# Altium PCB UKU205V3.PcbDoc (part 2 of 3)
Units mm, origin at the board's own origin, x right, y up, seen from the top; angles counter-clockwise.
Board outline 374.65 x 264.35 mm, 2 copper layers (Top Layer, Bottom Layer); 286 components, 293 nets, 1007 pads, 846 vias.
Unrouted connection lines stored in the file: 6.
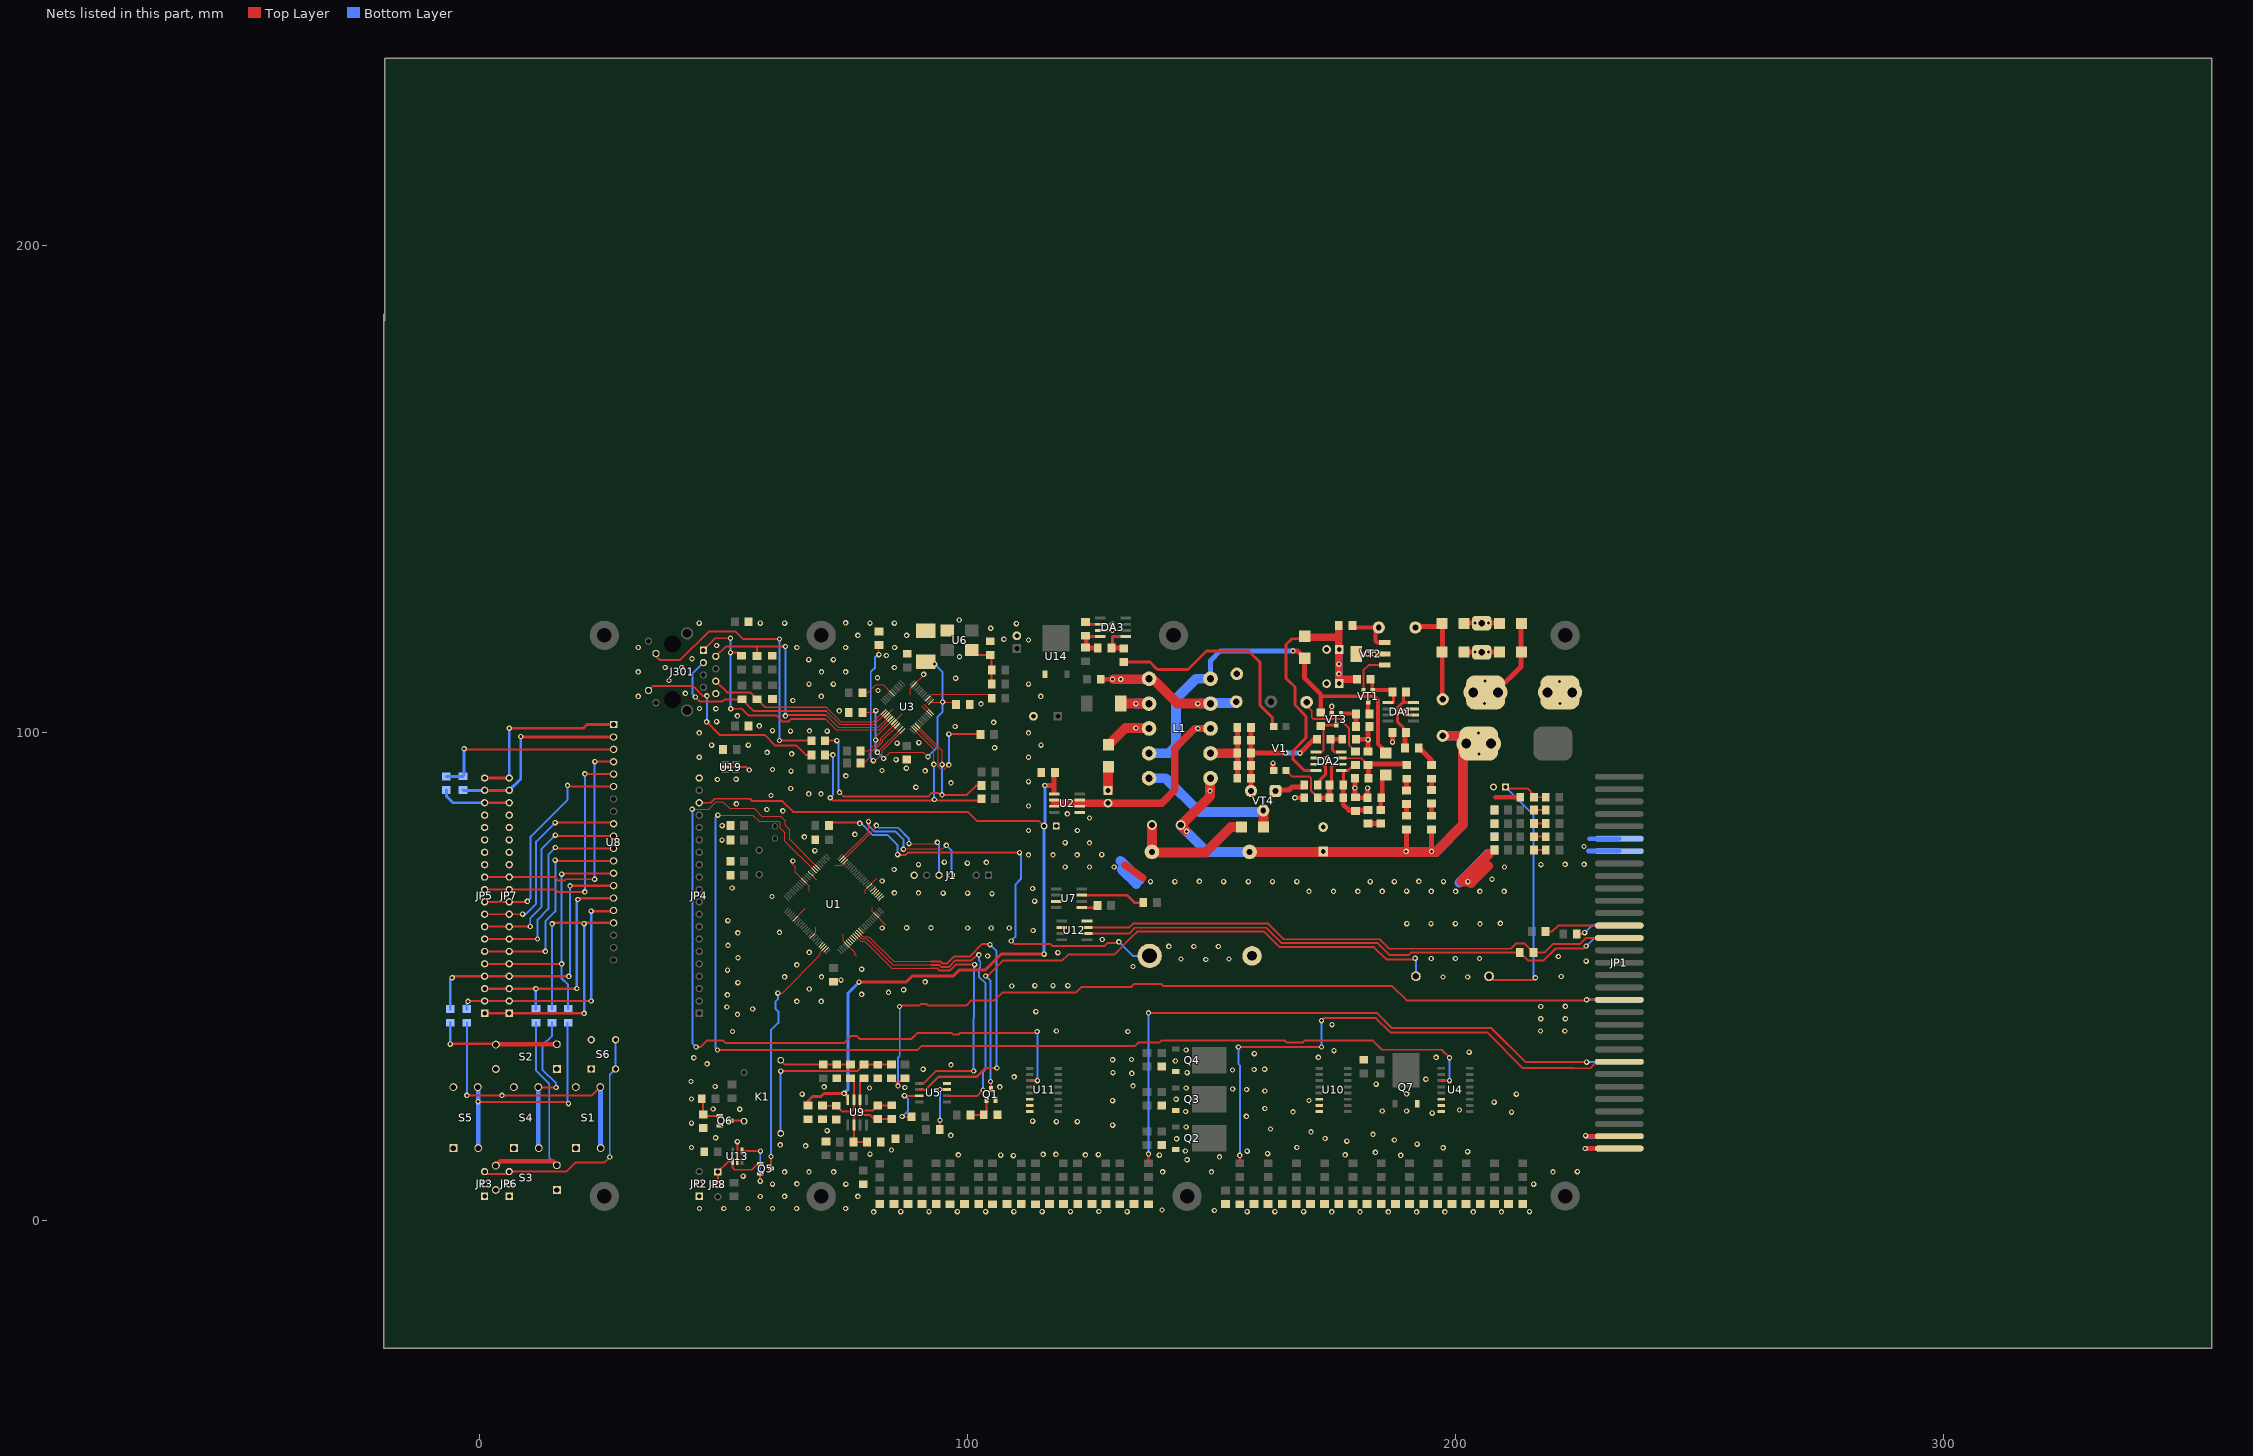
[diagram p2: the nets of this part, all layers, seen from the top]

## Via types
v1: diameter 1.1, hole 0.6, Top Layer to Bottom Layer, 837 vias
v2: diameter 4, hole 2, Top Layer to Bottom Layer, 8 vias
v3: diameter 1, hole 0.6, Top Layer to Bottom Layer, 1 vias

## Nets (pads, with @x,y where several pads share a name; then routed paths per layer and width w, separated by ;. In a path a pad name is that pad's centre, name@x,y a point inside that pad or via, vN(x,y) a via of type N, cw(c..) or ccw(c..) an arc to the next point about the centre after c; other vN are vias at no path point) (continued)
-5V: C16.2 C57.2 C59.1 JP4.18 U2.1 U9.4 | length 188.9
  Top Layer w0.4: JP4.18@45,85.68 47.33,85.68 48.15,86.5 55.4,86.5 55.9,86 62.05,86 64.25,83.8 100.05,83.8 101.95,81.9 114.697,81.9 C57.2@115.688,80.909
  Top Layer w0.6: C16.2@67.298,23.595 67.298,24.548 68.2,25.45 69.9,25.45 70.55,26.1 v1(74.7,26.1) 75.442,25.358 U9.4@75.442,24.811 ; v1(77.75,48.9) 87.4,48.9 88.7,50.2 97.1,50.2 98.25,51.35 103.6,51.35 106.9,54.65 v1(115.7,54.65)
  Top Layer w1: v1(115.85,89.2) 117.561,89.2 ; U2.1@117.7,87.8 C59.1@117.7,91.8
  Bottom Layer w0.6: v1(74.7,26.1) 75.45,26.85 75.45,46.6 v1(77.75,48.9) ; v1(115.7,54.65) 115.7,80.897 C57.2@115.688,80.909 115.85,81.071 v1(115.85,89.2) v1@115.7,89.05
-48V: JP1.1 JP1.2 | length 56.2
  Top Layer w1: 221.3,109.3 226,104.6 226,91.3 v1(225.7,91) JP1.1@233.589,91
  Bottom Layer w1: 221.576,109.076 226,104.652 226,91.3 v1(225.7,91) JP1.2@233.589,91
  other v1: 227.35,90.95
-48V: FU2.1
  other v1: 221.4,106 221.3,110.5
  other v2: 218.88,108.3 223.96,108.3
-IAKB: JP1.37 JP1.38 R61.2 R62.2 | length 177.7
  Top Layer w0.4: R61.2@84.393,29.212 84.588,29.212 v1@85.719,28.081 ; v1@85.75,28.05 v1@85.719,28.081 ; v1(86.05,43.9) 86.3,44.15 90.2,44.15 90.45,44.4 91.6,44.4 91.85,44.15 99.8,44.15 100.8,45.15 105.5,45.15 107.1,46.75 122.2,46.75 123.35,47.9 133.5,47.9 134.1,48.5 139.75,48.5 140.15,48.1 187.05,48.1 190,45.15 226.75,45.15 v1(226.9,45.3) ; R62.2@87.2,29.3 86.938,29.3 v1@85.719,28.081 ; v1(226.9,45.3) JP1.37@233.589,45.3
  Bottom Layer w0.4: v1@85.75,28.05 85.75,33.45 86.1,33.8 v1@86.1,43.95 ; v1(226.9,45.3) 233.564,45.3 JP1.38@233.589,45.275
  other v1: 85.75,27.65
CANH: JP1.27 R129.2 U12.7 | length 114
  Top Layer w0.4: U12.7@124.489,60.132 133.182,60.132 133.95,60.9 161.65,60.9 164.85,57.7 184.5,57.7 186.45,55.75 211.3,55.75 212.35,56.8 214.181,56.8 R129.2@215.988,54.993 218.343,54.993 220.1,56.75 225.55,56.75 226.75,57.95 JP1.27@233.589,57.95
CANL: JP1.28 R129.1 U12.6 | length 114.6
  Top Layer w0.4: U12.6@124.489,58.862 133.112,58.862 134.3,60.05 161.25,60.05 164.4,56.9 184.05,56.9 186.45,54.5 190.45,54.5 190.9,54.95 213.05,54.95 R129.1@213.1,55 ; R129.1@213.188,54.993 214.831,53.35 218.1,53.35 220.55,55.8 226.3,55.8 v1(226.8,56.3)
  Bottom Layer w0.4: v1(226.8,56.3) 228.45,57.95 JP1.28@233.589,57.95
GND: BT1.2 C1.2 C2.2 C3.2 C4.2 C5.2 C6.2 C7.2 C8.2 C9.2 C10.2 C12.2 C15.1 C16.1 C17.1 C18.2 C19.2 C20.2 C21.1 C22.1 C23.2 C24.1 C25.1 C31.1 C33.1 C34.2 C35.2 C37.1 C38.1 C39.1 C40.1 C41.1 C42.2 C43.2 C44.2 C45.2 C46.2 C47.2 C48.2 C49.2 C50.2 C51.2 C52.2 C53.2 C54.2 C55.2 C57.1 C58.1 C59.2 C61.+ C62.- C65.- C301.1 C302.1 C303.1 C304.1 D1.1 D3.1 D4.1 D5.1 D7.1 D8.1 DA3.6 DA3.7 J1.7 J301.8 JP1.12 JP1.14 JP1.59 JP1.60 JP1.61 JP1.62 JP2.1 JP2.2 JP4.20 L1.7 L1.10 Q1.2 Q2.3 Q3.3 Q4.3 Q6.2 Q7.3 R10.2 R12.2 R13.2 R14.2 R15.2 R16.2 R23.1 R24.1 R26.1 R27.1 R28.1 R36.1 R49.1 R57.1 R58.1 R60.1 R74.2 R75.2 R76.2 R77.2 R78.2 R111.1 R112.1 R113.1 R114.1 R117.1 R118.1 R122.2 R126.2 R127.2 R128.2 R135.1 U1.11 U1.15 U1.31 U1.41 U1.55 U1.72 U1.83 U1.97 U2.5 U3.15 U3.19 U3.35 U3.36 U3.47 U4.6 U4.7 U4.8 U5.4 U6.2 U7.3 U10.6 U10.7 U10.8 U11.6 U11.7 U11.8 U12.2 U12.8 U13.2 U14.1 U19.2 VD8.2 XP5.1 | length 184.5
  Top Layer w0.25: v1@64,73.25 64.7,72.55 64.7,71.386 U1.15@66.413,69.673 67.5,68.586 67.5,67.5 ; U1.31@64.645,61.895 66.65,63.9 66.7,63.9 ; U1.11@67.827,71.087 69,69.914 69,69.9 ; U1.41@68.181,58.359 68.9,59.078 68.9,60.2 ; 72.9,72.85 74.186,72.85 U1.97@74.898,73.562 ; 74.5,58.7 74.5,57.343 U1.55@75.252,56.591 76.85,54.993 76.85,54.604 77.142,54.312 ; 79.05,67 79.05,67.814 U1.83@79.848,68.612 81.4,70.164 ; 80.5,63.364 U1.72@81.262,62.602 83.15,60.714 83.15,60.7 ; 80.5,63.364 80.5,64.15 ; U3.15@83.448,103.597 84.751,104.9 ; U3.19@84.862,102.183 86.579,103.9 ; 88.2,107.8 88.2,109.056 U3.47@88.998,109.855 v1@91,111.856 ; 90.65,105.5 90.65,105.481 U3.35@92.18,103.95 ; 90.988,105.85 U3.36@92.534,104.304
  Top Layer w0.4: U19.2@50.334,92.992 54.658,92.992 v1(55.25,92.4) ; U13.2@52.8,12.125 v1(52.8,16.2) ; v1@226.649,17.45 v1(226.699,17.45)
  Top Layer w0.6: R135.1@124.63,122.27 DA3.6@127.2,122.27 129.83,122.27 129.83,121.13 v1(129.7,121) DA3.7@127.2,121
  Top Layer w1: C58.1@127.305,110.998 v1@129.898,110.998 ; 208.193,86.793 R57.1@213.288,86.793 ; v1@226.825,17.325 JP1.59@233.589,17.325 ; 227.5,14.8 JP1.61@233.589,14.8
  Top Layer w1.5: 132.2,72.9 135.974,70.247
  Top Layer w2: C61.+@128.8,88.4 VD8.2@128.8,92.8 ; v1@129.9,111 v1(131.4,111) 138,111 143,106 v1(147.2,106) L1.7@149.8,106 ; v1@203.099,69.5 201.199,69.5 206.899,75.2 ; 203.199,69.2 206.699,72.7
  Bottom Layer w0.3: 131.7,73.5 131.7,73.7
  Bottom Layer w1: v1@226.85,17.3 JP1.60@233.589,17.3 ; 227.2,14.8 JP1.62@233.589,14.8 ; 227.25,75.75 JP1.14@233.589,75.75 ; 227.5,78.3 JP1.12@233.589,78.3
  Bottom Layer w2: 131.3,73.8 135.3,69.8 ; 131.6,72 134.6,69 ; v1@147.6,106 L1.7@149.8,106 ; L1.7@149.8,106.1 XP5.1@155.2,106.1 ; 200.799,69.3 206.699,75.2 ; 203.499,69.7 206.299,72.5
  other v1: 80.75,1.8 174.65,1.8 180.45,1.8 186.25,1.8 192.05,1.8 197.85,1.8 203.65,1.8 209.45,1.8 86.3,1.85 92.1,1.85 97.9,1.85 103.7,1.85 109.5,1.85 115.3,1.85 121.1,1.85 132.7,1.85 157.299,1.85 162.999,1.85 168.899,1.85 215.199,1.85 126.9,1.9 150.6,2.1 139.85,2.2 45.05,2.5 50.05,2.5 55,2.5 60,2.5 64.95,2.5 75,2.5 57.5,4.95 62.5,5 77.5,5 60,7.5 75.05,7.5 216.05,7.5 65,7.55 54,9.15 62.5,10 67.5,10 72.55,10 140,10 150,10 219.999,10 224.999,10.05 145,12.5 151.65,13.1 109.4,13.35 188.799,13.4 106.8,13.45 139.3,13.45 98.1,13.5 124.15,13.5 177.399,13.5 126.8,13.55 115.5,13.6 118.1,13.6 80,13.65 161.499,13.75 183.6,14 202.499,14.15 157.299,14.25 144.65,14.3 84.4,14.5 226.599,14.8 197.499,14.95 43.4,15 167.499,15 66.8,15.35 61.6,15.55 192.15,15.7 177.75,16.3 187.499,16.55 142.85,16.8 173.299,16.85 48.35,17 96.55,17.5 183.1,17.7 170.399,18.2 71.2,18.45 162.1,18.8 144.8,19.2 129.75,19.6 43.4,20 118.2,20.3 122.5,20.3 113.35,20.4 157.15,21.4 195.25,22.05 211.499,22.25 166.7,22.3 144.7,22.4 184.999,22.5 190,22.5 200.85,22.7 53.3,22.85 47.85,22.9 160.95,23 207.95,24.3 129.75,24.6 169.999,24.65 142.75,24.9 43.4,24.95 66.1,25.95 212.499,25.95 189.999,26 160.95,26.6 157.199,26.9 154.35,27 79.9,27.2 144.8,27.2 87.15,27.3 70.6,27.45 106.6,27.45 48.25,27.5 133.9,27.65 183.75,28 43.3,28.55 193.95,29 109.55,29.5 133.65,30.2 129.8,30.35 145,30.35 154.3,30.9 158.75,31 90.9,31.05 160.899,31.05 96.6,31.95 46.6,32.15 142.6,32.75 129.75,33 133.6,33.05 43.9,33.4 171.9,33.5 196.05,33.5 158.799,34.25 202.8,34.55 175.099,34.85 144.8,35 51.8,38.8 132.85,38.8 118.2,38.9 217.45,38.9 222.45,38.9 174.7,40.2 217.5,41.4 222.55,41.4 52.85,42.3 114,42.85 55.95,43.4 50.65,43.8 217.5,43.9 222.55,43.95 65,44.95 70,44.95 50.75,46.3 78.3,46.4 83.8,46.8 86.9,47.35 67.55,47.5 109.05,48.1 113.8,48.2 117.5,48.2 120.55,48.2 52.9,48.8 91.3,48.95 74.05,49.3 197.45,49.95 202.5,49.95 62.5,50 70.05,50 221.7,50.05 50.8,51.35 78.3,51.55 133.9,52.1 65,52.45 226.8,53.2 148.85,53.55 143.75,53.65 153.6,53.65 195.05,53.75 200,53.75 204.95,53.75 52.95,53.9 221.1,54.15 104.1,54.25 118.5,54.95 67.55,55 146.4,56.2 151.4,56.2 141.25,56.25 50.9,56.45 127.6,57.65 52.9,59 61.45,59.1 113.45,59.5 82.5,60 100,60 104.85,60 108.55,60 87.5,60.05 92.5,60.05 205.05,60.85 190.05,60.9 195,60.9 200,60.9 209.2,60.95 50.85,61.5 113.75,65.5 59.9,66.45 105,67.05 95,67.15 100,67.15 85,67.2 89.95,67.2 170,67.5 175,67.5 179.999,67.5 184.999,67.5 195.05,67.5 200.05,67.5 205,67.5 210,67.5 189.999,67.55 113.35,68.1 51.75,68.2 137.501,69.5 142.501,69.5 152.5,69.5 157.551,69.5 162.501,69.5 167.501,69.5 182.551,69.5 187.5,69.5 197.551,69.5 202.551,69.5 147.5,69.55 192.5,69.55 82.5,69.65 207.5,70 84.95,72 120,72.5 125,72.5 130.05,72.5 210.05,72.5 89.95,73 217.55,73 222.499,73.05 226.399,73.05 99.95,73.3 103.85,73.45 95.25,73.5 64.2,73.75 112.5,75 117.5,75 122.45,75 127.5,75.05 68.7,75.85 226.35,76.7 125,77.45 120,77.5 49.65,78 66.55,78.7 76.9,79.2 112.5,80 122.5,80 49.7,81 125,82.55 120.45,83.4 62.15,84 58.85,84.3 112.5,85 52.6,85.45 59.7,87.15 67.45,87.5 69.95,87.5 63.75,88.6 89.4,88.85 96.6,89.75 112.5,90 48.7,90.45 52.55,90.5 75.05,91.2 63.8,92.15 91.3,92.2 82.45,92.3 60,92.5 87.45,92.75 85.35,94.5 45,95 112.5,95 63.95,95.7 58.9,96 105.55,96.95 47.55,97.5 55.05,97.5 115.05,97.5 85.55,97.9 90,98 45,100 112.5,100 63.7,100.35 71.2,100.35 67.6,100.4 60,100.45 97.45,101.3 57.3,101.45 105.35,102.15 48.55,102.3 52.8,103.5 73.7,104.5 48.4,104.95 45.05,105 102.75,105.95 64.2,106.65 32.5,107.5 70,107.5 115,107.5 42.15,108.1 81.65,108.7 67.5,110 72.5,110 112.5,110 38.8,110.75 129.7,111 97.55,111.2 81.55,111.3 91,112 32.5,112.5 70.05,112.5 75,112.5 38,113.4 41.4,113.4 85,113.4 67.45,115 72.5,115 43.5,115.2 98.35,115.6 83.35,115.85 32.5,117.5 65,117.5 75,117.5 85.05,117.5 48.55,117.9 112.5,119.05 107.45,119.2 77.5,120 87.5,120 104.75,121.45 129.7,122.3 110,122.4 45,122.5 57.5,122.5 62.5,122.5 80,122.5 85,122.5 75,122.55 98.3,123.15
I1: R6.2
I1: JP1.47 | length 112.5
  Top Layer w0.4: v1(155.5,35.6) v1(172.55,35.6) ; v1(155.8,13.4) 155.807,13.393 155.807,11.788 ; v1(172.55,41) 173.1,41.55 183.7,41.55 186.65,38.6 206.5,38.6 213.8,31.3 224.1,31.3 224.15,31.25 227.65,31.25 228.975,32.575 JP1.47@233.589,32.575
  Bottom Layer w0.4: v1(155.5,35.6) 155.5,32.15 155.807,31.843 v1@155.807,13.393 ; v1(172.55,35.6) v1(172.55,41)
I2: R7.2
I2: JP1.48 | length 131.5
  Top Layer w0.4: v1@137.1,13.2 137.107,13.193 137.107,11.788 ; v1(137.1,42.6) 137.5,42.55 183.95,42.55 187,39.5 207.4,39.5 214.4,32.5 v1(226.9,32.5)
  Bottom Layer w0.4: v1@137.1,13.2 v1(137.1,13.7) v1(137.1,42.6) ; v1(226.9,32.5) 233.515,32.5 JP1.48@233.589,32.575
NetA1_1: A1.1 Q1.3 | length 121.7
  Top Layer w0.4: v1(103.7,50.15) 104.05,50.15 107.2,53.3 119.35,53.3 120.6,54.55 130.05,54.55 133.693,58.193 134.75,59.25 160.8,59.25 163.95,56.1 183.3,56.1 185.85,53.55 191.5,53.55 v1(191.75,53.8) ; v1(104.7,28.55) 104.8,28.55 104.802,28.548 Q1.3@104.802,26.998
  Bottom Layer w0.4: v1(103.7,50.15) 104.7,49.15 v1(104.7,28.55) ; v1(191.75,53.8) 191.897,53.653 A1.1@191.897,50.112
NetA1_2: A1.2 C19.1 R56.1 R57.2 | length 61
  Top Layer w0.4: A1.2@206.897,50.112 207.66,49.35 215.95,49.35 v1(216.4,49.8) ; C19.1@210.657,88.5 210.757,88.6 214.8,88.6 216.088,87.312 R57.2@216.088,86.793 216.094,86.8 R56.1@218.4,86.8 ; R56.1@218.5,86.8 R56.1@218.4,86.8 ; R56.1@218.8,86.4 R56.1@218.4,86.8
  Bottom Layer w0.4: C19.1@210.4,88.8 216.05,83.15 216.05,50.15 v1(216.4,49.8)
NetBT1_1: BT1.1 D6.1 | length 92.8
  Top Layer w0.4: D6.1@71.595,80.991 72.254,81.65 77.7,81.65 v1(77.9,81.45) ; v1(85.65,75.05) 85.75,74.95 87.25,74.95 87.75,75.45 v1(110.65,75.45) ; v1(108.95,57.35) 109.55,56.75 116.95,56.75 117.35,56.35 128.1,56.35 128.65,56.9 130.75,56.9 v1(131,57.15)
  Bottom Layer w0.4: v1(77.9,81.45) 78.2,81.45 80.6,79.05 83.6,79.05 85.65,77 v1(85.65,75.05) ; v1(108.95,57.35) 109.8,58.2 109.8,68.9 110.95,70.05 110.95,75.15 v1(110.65,75.45) ; v1(131,57.15) 133.859,54.291 BT1.1@137.305,54.291
NetC9_1: C9.1 C10.1 C20.1 U3.18 U3.23 U3.37 | length 63.9
  Top Layer w0.25: C10.1@78.455,104.198 80.748,104.198 v1@81.1,104.55 ; v1(81.15,98.55) 81.15,99.178 U3.18@84.508,102.536 ; v1(81.5,96) 81.508,96 U3.23@86.276,100.768 ; v1(82.8,94.75) 84.1,96.05 90.95,96.05 v1(91.9,95.1) ; U3.37@92.534,106.319 97.128,106.319 C9.1@97.645,105.802
  Top Layer w0.4: C20.1@91.25,114.55 92.761,114.589 v1(93.25,114.1)
  Bottom Layer w0.4: v1@81.1,104.55 81.15,104.5 81.15,96.4 81.525,96.025 v1(82.8,94.75) ; v1(91.9,95.1) 91.95,95.15 91.95,95.2 93.8,97.05 93.8,103.2 94.9,104.3 94.9,112.45 v1(93.25,114.1)
  other v1: 81.2,104.55 94.9,106.319
NetC11_1: C11.1 C56.1 FU1.2 L1.1 NTC1.2 R30.2 R68.2 R133.2 | length 174.1
  Top Layer w1: v1@190,76.2 R68.2@190,80.2 ; v1(195.1,75.7) R30.2@195.1,80.2 R30.2@195.1,80.3
  Top Layer w2: v1@144.65,80.05 143.7,81 R133.2@143.7,81.1 143.8,81.1 149.7,87 v1(149.7,88.1) L1.1@149.7,90.4 ; C56.1@157.4,75.6 C56.1@157.8,75.6 v1@195,75.6 ; v1(195.1,75.7) v1@195,75.6 ; NTC1.2@197.4,99.4 FU1.2@200.8,99.4 ; FU1.2@201.5,97.2 201.5,81.1 196,75.6 v1@195,75.6
  Bottom Layer w2: R133.2@143.65,81.05 v1(144.9,79.8) 149.1,75.6 C56.1@157.6,75.6 ; v1@149.7,88.3 L1.1@149.7,90.209 ; C56.1@157.8,75.6 196,75.6 201.5,81.1 201.5,98.9 201,99.4 NTC1.2@197.4,99.4
  other v1: 189.9,75.7 204.8,95.7 204.7,100
  other v2: 202.22,97.8 207.3,97.8
NetC11_2: C11.2 C14.2 C27.2 C28.1 C29.- C30.- C36.2 DA1.6 DA1.7 DA2.6 FU2.2 L1.3 R46.1 R53.1 R79.1 R101.1 R109.1 R110.1 R130.1 R131.1 R132.1 V1.3 VD2.1 VD4.1 VT2.2 VT2.4 VT3.2 XP3.1 | length 69.8
  Top Layer w0.6: DA2.6@171.504,94.835 v1@173.835,94.835 ; DA1.6@191.389,103.662 189.702,103.662 189.632,103.732 189.632,104.932 DA1.7@191.389,104.932
  Top Layer w0.8: VT3.2@174.65,103.975 v1(174.65,105.45)
  Top Layer w1: R110.1@155.297,98.503 R109.1@155.297,100.8 ; R109.1@155.297,101.103 155.297,101.3 R109.1@155.3,101.3 ; R132.1@155.3,90.7 R131.1@155.3,93.3 R130.1@155.3,95.9 R109.1@155.3,100.797 ; V1.3@162.63,92.3 v1@162.63,93.63 ; v1(167.1,86.7) C28.1@168.994,86.7 ; v1@179.397,89.097 R79.1@179.397,90.703 ; v1@179.4,88.894 v1(179.4,88.7) 179.4,86.7 R101.1@179.503,86.803 ; C36.2@179.6,98.7 v1@182,98.7 ; R101.1@179.603,86.697 C27.2@182.003,86.697 v1@182.003,88.597 ; VT2.4@179.7,116.2 v1(182,116.2) v1(183.3,116.2) VT2.2@185.5,116.2 ; C14.2@182.1,96.2 v1(182.1,98.6) R53.1@182.1,101 ; v1@187.1,98.4 R46.1@187.1,100.1 ; FU2.2@206.2,108.6 208.5,108.6 213.449,113.549 VD4.1@213.449,121.594
  Top Layer w2: L1.3@149.8,95.8 R130.1@154.9,95.8
  other v1: 182,88.7 162.6,93.8 173.8,94.8 187.1,98.1 189.4,104.3 206,106 206.1,110.6
  other v2: 203.64,108.3 208.72,108.3
NetC13_1: C13.1 DA1.8 R43.1 R46.2 | length 13.3
  Top Layer w0.6: C13.1@189.4,107.9 189.4,106.202 ; R46.2@189.75,100.55 189.75,100.65 188.1,102.3 188.1,105.1 189.202,106.202 189.4,106.202 ; DA1.8@191.389,106.202 189.4,106.202
  Top Layer w1: R43.1@189.7,97.3 R46.2@189.7,99.9
NetC13_2: C13.2 DA1.1 R47.2 VT1.1 | length 9.6
  Top Layer w0.6: VT1.1@182.95,108.75 VT1.1@183.05,108.75 ; DA1.1@186.189,106.202 187.302,106.202 C13.2@187.302,108.198
  Top Layer w0.8: R47.2@182.95,110.55 182.95,108.75 C13.2@187.5,108.75
NetC14_1: C14.1 DA2.3 R70.1 R79.2 | length 16.6
  Top Layer w0.4: DA2.3@176.639,94.8 180.688,94.8 C14.1@182.094,93.394
  Top Layer w1: R79.2@182.197,90.703 182.197,93.291 C14.1@182.094,93.394 182.3,93.6 R70.1@189.806,93.6
NetC18_1: C18.1 R50.1 R51.1 U6.4 | length 10.3
  Top Layer w0.4: U6.4@100.85,117 101.862,115.988 C18.1@104.657,115.988 104.938,115.707 R50.1@104.938,112.893 R51.1@104.938,109.993
NetC22_2: C22.2 K1.1 R61.1 R64.1 | length 36.2
  Top Layer w0.4: v1(61.7,30.65) 77.431,30.65 R64.1@78.793,32.012 R61.1@84.393,32.012 ; R64.1@78.75,31.9 R64.1@78.862,32.012
  Bottom Layer w0.4: K1.1@61.69,17.894 61.69,30.64 v1(61.7,30.65)
NetC23_1: C23.1 K1.3 R63.1 R65.1 | length 15.5
  Top Layer w0.4: K1.3@61.69,32.894 62.572,32.012 R65.1@75.993,32.012 ; R63.1@69.794,32.506 R63.1@70.4,31.9
NetC24_2: C24.2 C32.2 R59.1 R66.1 U9.6 | length 16.2
  Top Layer w0.4: U9.6@76.712,19.611 76.712,21.212 77.15,21.65 80.05,21.65 80.85,20.85 84.431,20.85 C32.2@84.443,20.862 ; U9.6@76.75,19.7 76.75,16.25 76.65,16.15 76.7,16.1 C24.2@79.35,16.1
NetC26_1: C26.1 DA2.1 R80.2 R100.2 R101.2 R103.2 | length 13.7
  Top Layer w0.6: DA2.1@176.704,92.295 177.1,92.295 R103.2@177.1,90.2 ; DA2.1@177.5,92.3 178,92.3 R80.2@178.807,93.107 ; R80.2@178.903,93.203 R80.2@178.903,93.403
  Top Layer w1: C26.1@177,86.6 177,85.3 178.2,84.1 R101.2@179.2,84.1 ; C26.1@177,86.7 R103.2@177,89.3 ; R101.2@179.294,84.194 R100.2@182.094,84.194
NetC26_2: C26.2 C28.2 DA2.2 R103.1 V1.4 | length 20.9
  Top Layer w0.4: V1.4@165.27,92.3 166.47,91.1 170,91.1 170.4,90.7 170.4,88.1 C28.2@171.794,86.706 ; C28.2@171.594,86.706 C28.2@171.794,86.706 ; C28.2@171.797,86.703 C28.2@171.794,86.706
  Top Layer w0.6: R103.1@174.6,90 174.6,93 175.165,93.565 DA2.2@176.604,93.565
  Top Layer w1: C28.2@171.794,86.706 C26.2@174.194,86.706 ; R103.1@174.1,89.4 R103.1@174.2,89.3 C26.2@174.2,86.706
NetC27_1: C27.1 R102.2 VD5.2 | length 5.5
  Top Layer w1: R102.2@184.7,84.2 C27.1@184.7,86.594 ; 185,87.7 VD5.2@185,90.8
NetC29_+: C29.+ C30.+ DA2.8 R47.1 R48.1 VD6.2 | length 65.7
  Top Layer w0.6: DA2.8@171.404,92.295 169.005,92.295 166.7,94.6 166.7,96.3 169.4,99 169.4,103.4 167.1,105.7 167.1,109.4 165.3,111.2 165.3,118.1 166.5,119.3 171.5,119.3
  Top Layer w1.5: VD6.2@170,119.6 175,119.6 ; 175.2,119.6 175.5,119.6 ; R48.1@176.1,121.906 C29.+@176.1,117.2 ; C29.+@176.2,117.3 C29.+@176.1,117.2 ; R47.1@179.8,111 176.1,111 v1(176.1,112.1) v1(176.1,114.1) C29.+@176.1,117.2